# Altium PCB RelayTester.PcbDoc (part 2 of 2)
Units mm, origin at the board's own origin, x right, y up, seen from the top; angles counter-clockwise.
Board outline 86 x 93 mm, 2 copper layers (Top Layer, Bottom Layer); 234 components, 174 nets, 831 pads, 189 vias.
Unrouted connection lines stored in the file: 4.
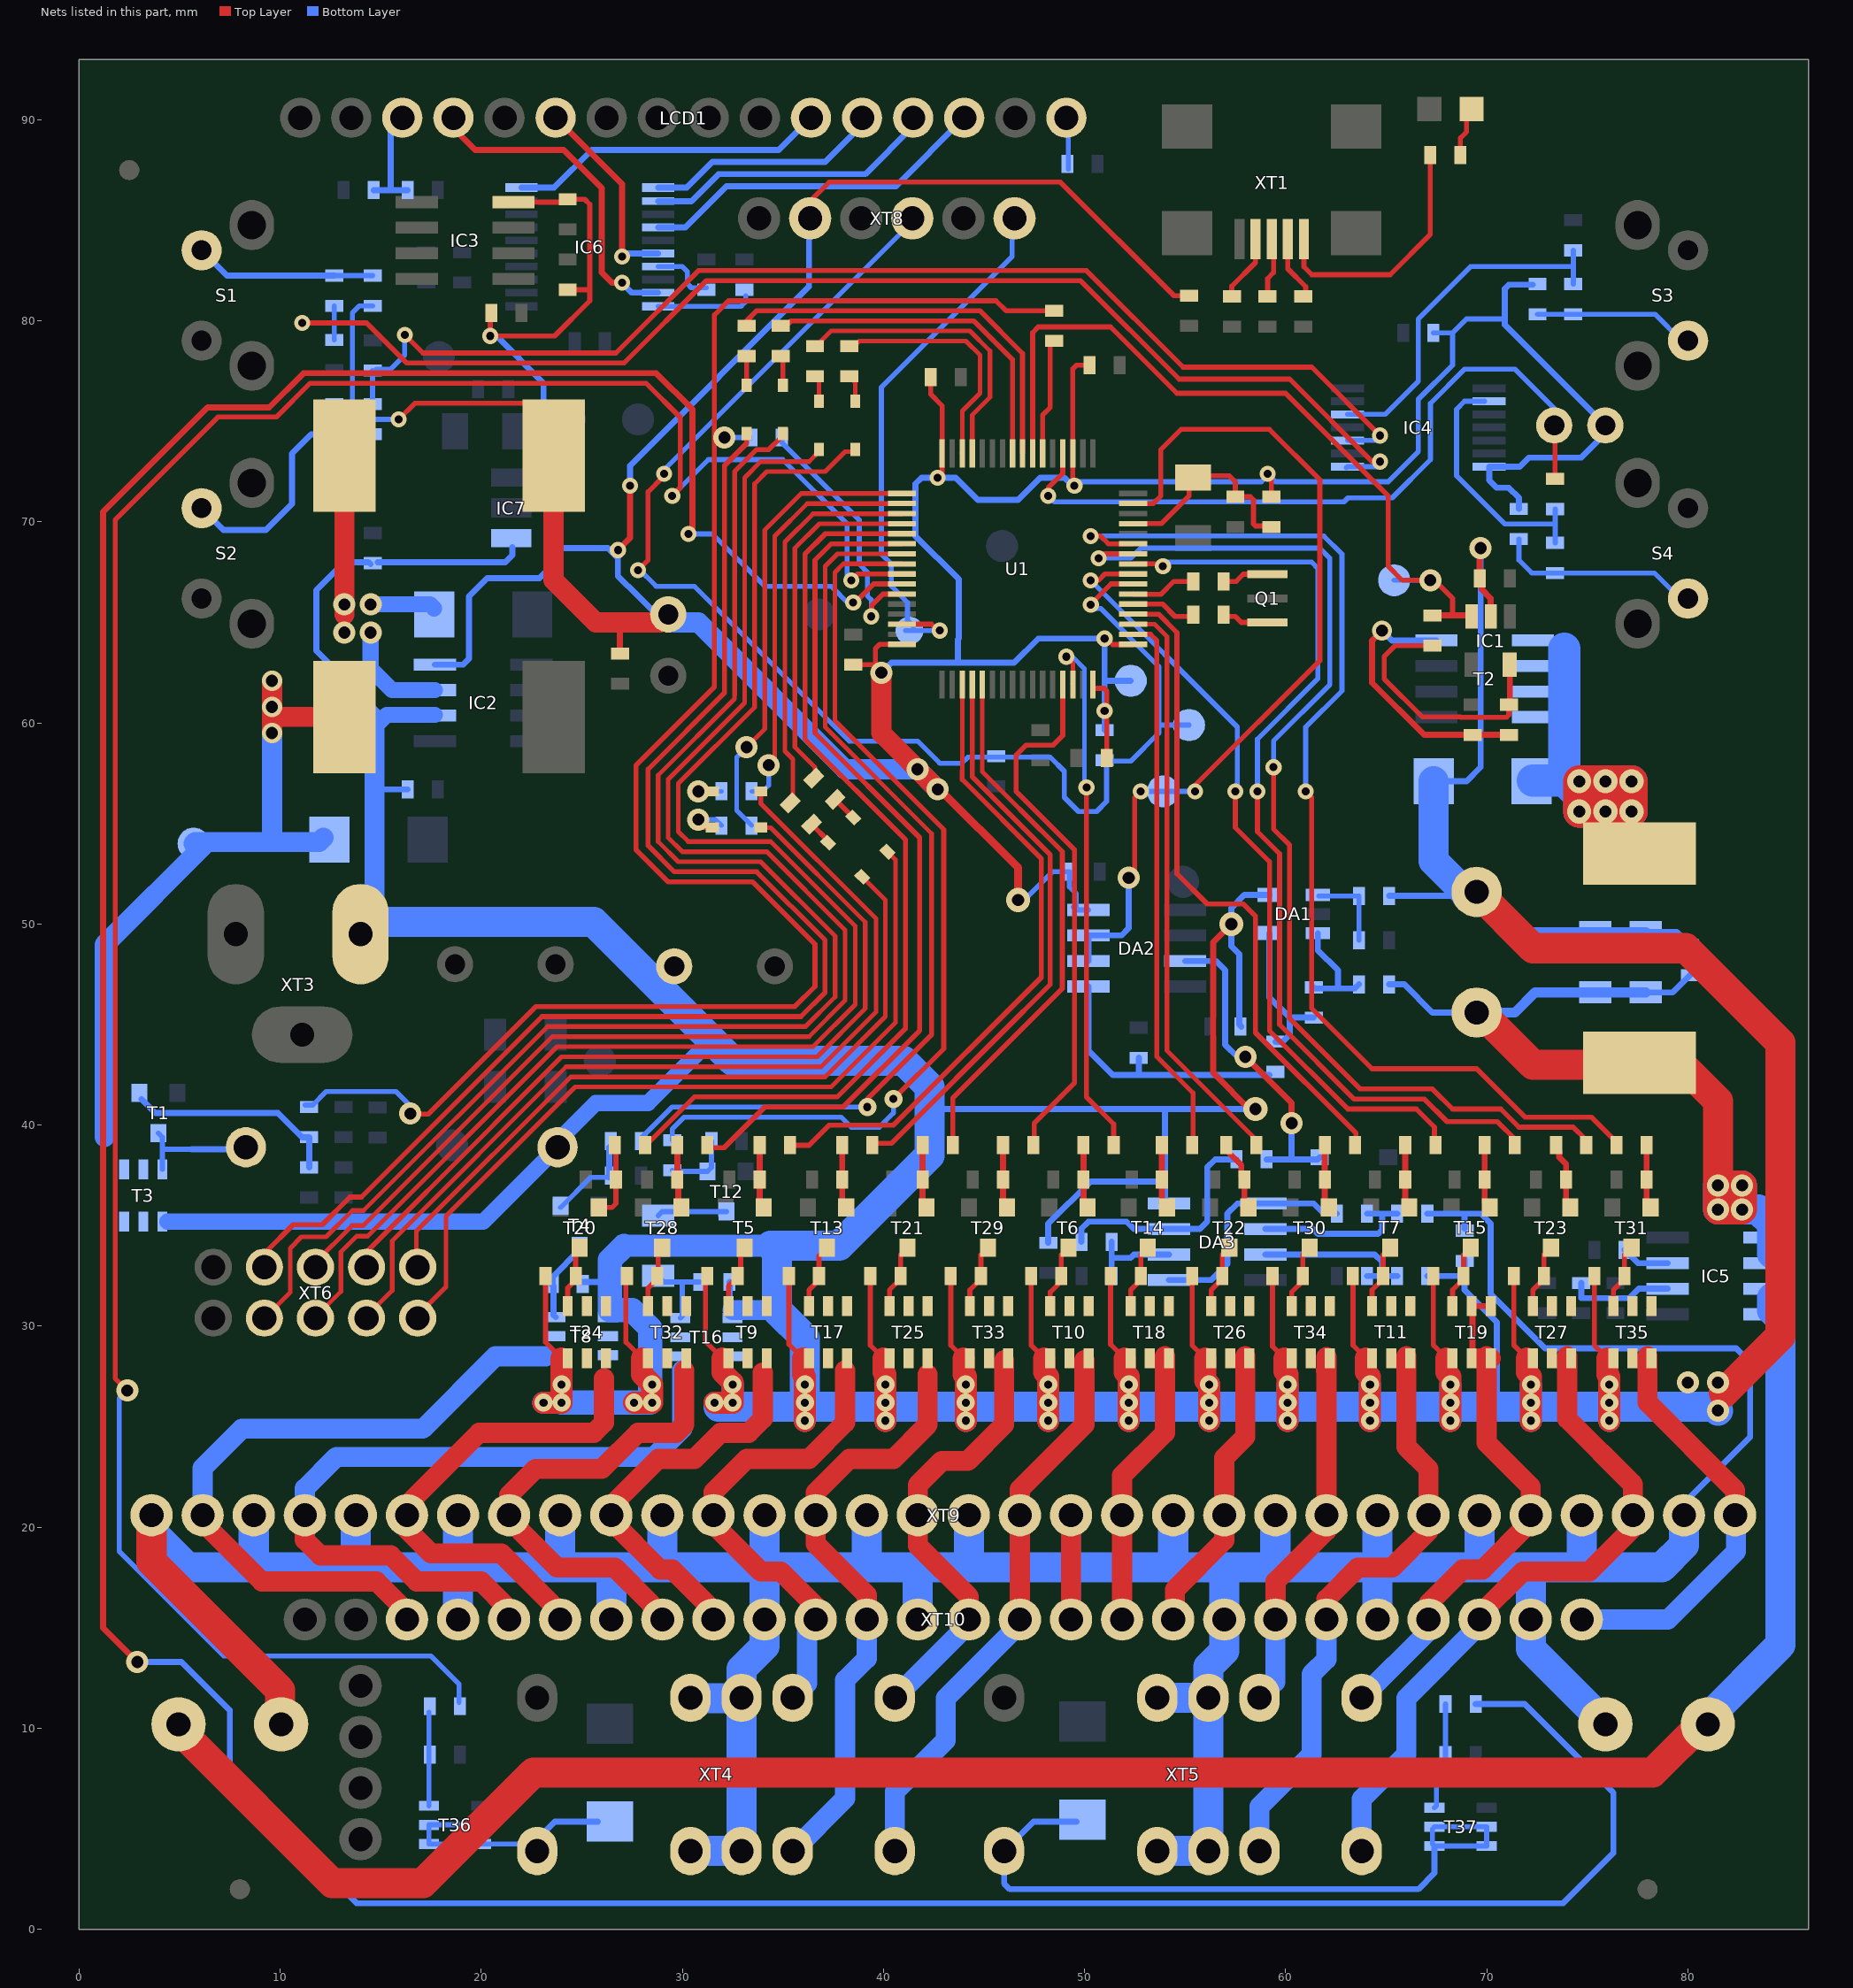
[diagram p2: the nets of this part, all layers, seen from the top]

## Via types
v1: diameter 0.8, hole 0.4, Top Layer to Bottom Layer, tented both sides, 60 vias
v2: diameter 1.1, hole 0.6, Top Layer to Bottom Layer, tented both sides, 53 vias
v3: diameter 0.9, hole 0.4, Top Layer to Bottom Layer, tented both sides, 46 vias
v4: diameter 1.2, hole 0.6, Top Layer to Bottom Layer, tented both sides, 11 vias
v5: diameter 3, hole 3, Top Layer to Bottom Layer, 6 vias
v6: diameter 1, hole 0.6, Top Layer to Bottom Layer, tented both sides, 5 vias
v7: diameter 1.1, hole 0.6, Top Layer to Bottom Layer, tented bottom, 4 vias
v8: diameter 1, hole 0.5, Top Layer to Bottom Layer, tented both sides, 2 vias
v9: diameter 0.9, hole 0.9, Top Layer to Bottom Layer, 2 vias

## Nets (pads, with @x,y where several pads share a name; then routed paths per layer and width w, separated by ;. In a path a pad name is that pad's centre, name@x,y a point inside that pad or via, vN(x,y) a via of type N, cw(c..) or ccw(c..) an arc to the next point about the centre after c; other vN are vias at no path point) (continued)
JTMS-SWDIO: pad.2@41.3,64.6 U1.46 XT8.1 | length 26.9
  Top Layer w0.25: U1.46@40.921,64.914 42.386,64.914 42.7,64.6 v1(42.8,64.6)
  Bottom Layer w0.25: pad.2@41.1,64.6 pad.2@41.3,64.6 v1(42.8,64.6) ; pad.2@41.5,64.8 41.2,65.1 41.2,66 40.4,66.8 40.4,67.9 39.9,68.4 39.9,76.7 46.4,83.2 XT8.1@46.4,84.6
MCPWM: IC1.3 pad.2@65.4,67.1 R9.1 U1.23 | length 38.9
  Top Layer w0.25: U1.23@47.421,73.414 47.421,79.421 47.7,79.7 51.3,79.7 54.6,76.4 60,76.4 65.1,71.3 65.1,67.8 65.8,67.1 v2@66.8,67.1 ; v2(67.2,67.1) 67.3,67.2 68.3,66.2 68.3,65.35
  Top Layer w0.3: R9.1@67.3,65.35 68.3,65.35 69.2,65.35 IC1.3@69.25,65.3
  Bottom Layer w0.25: pad.2@65.4,67.1 v2(67.2,67.1)
MCPWMCOIL: R7.1 U1.22 | length 5.7
  Top Layer w0.25: U1.22@47.921,73.414 47.921,75.321 48.3,75.7 R7.1@48.3,79
MCPWMCoil2: R1.2 U1.43 | length 13
  Top Layer w0.25: v1(39.4,65.3) 39.431,65.331 39.431,65.869 39.976,66.414 U1.43@40.921,66.414
  Bottom Layer w0.25: R1.2@34.95,74.2 34.95,73.95 38.8,70.1 38.8,67.9 39.2,67.5 39.2,66.325 39.4,66.125 v1(39.4,65.3)
MOSOUT1: T8.2 XT9.2 XT10.3 | length 33.4
  Top Layer w1: XT9.2@6.1,20.3 9.1,17.3 14.8,17.3 16.31,15.79 XT10.3@16.31,15.413
  Bottom Layer w1: XT9.2@6.15,21.382 6.15,22.95 8.1,24.9 17.1,24.9 20.7,28.5 T8.2@23.2,28.5
MOSOUT2: T16.2 XT9.4 XT10.5 | length 36.8
  Top Layer w1: XT9.4@11.23,20.6 11.23,19.37 12,18.6 15.5,18.6 16.8,17.3 20,17.3 21.39,15.91 XT10.5@21.39,15.413
  Bottom Layer w1: XT9.4@11.23,21.382 11.23,21.93 12.8,23.5 28.6,23.5 30,24.9 30,27.8
MOSOUT3: T24.2 XT9.6 XT10.6 | length 24.6
  Top Layer w1: XT10.6@23.93,15.413 23.93,15.77 21,18.7 17.5,18.7 16.31,19.89 XT9.6@16.31,20.6 16.31,21.11 19.9,24.7 25.6,24.7 26.1,25.2 26.1,27.4
MOSOUT4: T32.2 XT9.8 XT10.8 | length 23.9
  Top Layer w1: XT10.8@29.01,15.413 29.01,15.59 28.42,16.18 28.42,16.221 26.641,18 23.772,18 21.98,19.792 21.98,19.82 21.39,20.41 XT9.8@21.39,20.6 21.39,21.59 22.7,22.9 26,22.9 27.8,24.7 29.7,24.7 30.1,25.1 30.1,27.8
MOSOUT5: T9.2 XT9.10 XT10.9 | length 19.7
  Top Layer w1: XT10.9@31.55,15.413 31.55,15.85 29.5,17.9 28.9,17.9 26.47,20.33 XT9.10@26.47,20.6 26.47,21.07 28.8,23.4 30.6,23.4 31.9,24.7 33.3,24.7 34,25.4 34,27.7
MOSOUT6: T17.2 XT4.7 XT9.12 XT10.11 | length 24
  Top Layer w1: XT10.11@36.63,15.413 36.63,16.07 34.9,17.8 33.9,17.8 31.55,20.15 XT9.12@31.55,20.6 31.55,21.75 33.2,23.4 36.3,23.4 38.1,25.2 38.1,27.8
  Bottom Layer w1: XT4.7@35.487,11.517 36.2,12.23 36.2,14.983 XT10.11@36.63,15.413
MOSOUT7: T25.2 XT4.4 XT9.14 XT10.12 | length 29.9
  Top Layer w1: XT10.12@39.17,15.413 39.17,16.63 36.63,19.17 XT9.14@36.63,20.6 36.63,21.73 38.3,23.4 40.5,23.4 42.2,25.1 42.2,27.6
  Bottom Layer w1: XT4.4@35.487,3.897 38.1,6.51 38.1,12.4 39.17,13.47 XT10.12@39.17,15.413
MOSOUT8: T33.2 XT4.6 XT9.16 XT10.14 | length 21.9
  Top Layer w1: XT10.14@44.25,15.413 44.25,16.55 41.71,19.09 XT9.16@41.71,20.6 41.71,22.11 42.9,23.3 44.2,23.3 46,25.1 T33.2@46,28.3
  Bottom Layer w1: XT4.6@40.567,11.517 44.25,15.2 XT10.14@44.25,15.413
MOSOUT9: T10.2 XT4.5 XT9.18 XT10.15 | length 28.6
  Top Layer w1: XT10.15@46.79,15.413 XT9.18@46.79,20.6 46.79,21.89 50,25.1 T10.2@50,28.3
  Bottom Layer w1: XT4.5@40.567,3.897 40.567,6.867 43.1,9.4 43.1,11.5 XT10.15@46.79,15.19 ; XT10.15@46.79,14.89 XT10.15@46.79,15.19 ; XT10.15@46.79,15.413 XT10.15@46.79,15.19
MOSOUT10: T18.2 XT9.20 XT10.17 | length 14.5
  Top Layer w1: XT10.17@51.5,15.043 XT10.17@51.87,15.413 XT9.20@51.87,20.6 51.87,22.57 54,24.7 T18.2@54,28.5
MOSOUT11: T26.2 XT9.22 XT10.18 | length 14.6
  Top Layer w1: XT10.18@54.41,15.413 54.5,15.503 54.5,16.9 56.95,19.35 XT9.22@56.95,20.6 56.95,23.45 58,24.5 T26.2@58,28.5
MOSOUT12: T34.2 XT5.7 XT9.24 XT10.20 | length 17.2
  Top Layer w1: XT10.20@59.5,15.423 59.5,17.3 62.03,19.83 XT9.24@62.03,20.6 62.03,27.77 ; 62,27.8 62.03,27.77 ; T34.2@62.03,28.47 62.03,27.77
  Bottom Layer w1: XT5.7@59.49,12.304 XT10.20@59.49,15.413
MOSOUT13: T11.2 XT5.4 XT9.26 XT10.21 | length 29.5
  Top Layer w1: XT10.21@62.03,15.413 62.03,16.43 63.6,18 65.3,18 67.11,19.81 XT9.26@67.11,20.6 67.11,22.89 66,24 T11.2@66,28.5
  Bottom Layer w1: XT5.4@58.703,3.897 58.703,6.103 61.3,8.7 61.3,12.7 62.03,13.43 XT10.21@62.03,15.413
MosOut14: T19.2 XT5.6 XT9.28 XT10.23 | length 26.8
  Top Layer w0.3: 69.65,28.4 69.3,28.75 69.3,30.95 T19.2@69.25,31 T19.2@70.2,31
  Top Layer w1: XT10.23@67.11,15.413 67.513,15.413 67.1,15.826 67.1,16.2 68.8,17.9 69.8,17.9 72.19,20.29 XT9.28@72.19,20.6 72.19,22.01 70,24.2 T19.2@70,28.4 ; 69.65,28.4 T19.2@70,28.4 ; T19.2@70,28.5 T19.2@70,28.4 ; T19.2@70.2,28.4 T19.2@70,28.4
  Bottom Layer w1: XT5.6@63.783,11.517 67.11,14.844 XT10.23@67.11,15.413
MOSOUT15: T27.2 XT5.5 XT9.30 XT10.24 | length 33.5
  Top Layer w1: XT10.24@69.65,15.413 69.65,15.65 71.8,17.8 75.1,17.8 77.27,19.97 XT9.30@77.27,20.6 77.27,22.13 74,25.4 T27.2@74,28.5
  Bottom Layer w1: XT5.5@63.783,3.897 63.783,6.483 66,8.7 66,11.5 69.65,15.15 XT10.24@69.65,15.413
MOSOUT16: T35.2 XT9.32 XT10.26 | length 20.2
  Top Layer w1: T35.2@78,28.5 78,26.2 82.35,21.85 XT9.32@82.35,20.95
  Bottom Layer w1: XT10.26@74.73,15.413 79.013,15.413 82.4,18.8 82.4,20.55 XT9.32@82.35,20.6
NetC7_2: C7.2 C9.1 L1.2 U1.13 | length 10.1
  Top Layer w0.25: U1.13@52.421,69.914 53.814,69.914 55.2,71.3 C9.1@55.2,71.9 ; C9.1@55.4,72.2 55.5,72.3 57.2,72.3 57.5,72 C7.2@57.5,71.25 58.25,71.25 58.4,71.1 58.4,69.9 58.5,69.8 59.25,69.8 L1.2@59.3,69.75
NetC23_2: C23.2 IC4.1 R87.2 | length 65
  Top Layer w0.25: v1(11.1,79.9) 14.3,79.9 16.3,77.9 27.1,77.9 31.2,82 49.8,82 54.7,77.1 60.2,77.1 64.3,73 v1(64.7,73)
  Bottom Layer w0.25: v1(11.1,79.9) 12.7,79.9 ; C23.2@12.7,79.05 12.7,79.9 ; R87.2@12.7,80.75 12.7,79.9 ; IC4.1@63.025,72.7 IC4.1@63.075,72.75 64.55,72.75 64.7,72.9 v1(64.7,73)
NetC24_2: C24.2 IC4.3 R88.2 | length 60.2
  Top Layer w0.25: v1(16.2,79.3) 17.1,78.4 26.7,78.4 30.8,82.5 50.1,82.5 54.9,77.7 61.3,77.7 v1(64.7,74.3)
  Bottom Layer w0.25: R88.2@14.6,75.858 C24.2@14.6,77.533 ; C24.2@14.8,77.6 15.5,77.6 16.2,78.3 v1(16.2,79.3) ; IC4.3@63.075,74.05 64.65,74.05 64.7,74.1 v1(64.7,74.3)
NetC25_2: C25.2 IC4.5 R89.2 | length 17.8
  Bottom Layer w0.25: IC4.5@63.075,75.35 64.95,75.35 66.6,77 66.6,80.1 69.2,82.7 74.3,82.7 ; R89.2@74.306,81.834 C25.2@74.306,83.509
NetC26_2: C26.2 IC4.9 R90.2 | length 12.4
  Bottom Layer w0.25: IC4.9@69.9,76 68.9,76 68.5,75.6 68.5,72.3 70.9,69.9 73.406,69.9 ; R90.2@73.406,68.961 73.406,69.9 ; C26.2@73.406,70.636 73.406,69.9
NetC28_2: C28.2 IC5.6 | length 5.2
  Bottom Layer w0.3: C28.2@74.7,32.15 74.7,31.4 77.1,31.4 77.565,31.865 IC5.6@79,31.865
NetD1_2: D1.2 IC2.3 L3.1 | length 16.6
  Top Layer w1: v2@13.2,65.4 L3.1@13.2,73.3
  Bottom Layer w0.8: v2(14.5,64.5) 14.5,62.7 15.565,61.635 IC2.3@17.7,61.635 ; v2(14.5,65.9) 17.46,65.9 D1.2@17.66,65.7
  other v2: 13.2,64.5 13.2,65.9
NetD2_2: D2.2 L2.1 pad.2@5.7,54 T3.2 | length 38.3
  Top Layer w1: v6(9.6,59.5) 9.6,60.3 ; v6(9.6,62.1) v6(9.6,60.8) 9.6,60.3 ; L2.1@12.7,60.8 L2.1@13.2,60.3 9.6,60.3
  Bottom Layer w1: 1.275,39.4 1.275,48.975 pad.2@6.375,54.075 ; pad.2@5.7,54 5.775,54.075 pad.2@6.375,54.075 ; v6(9.6,62.1) v6(9.6,60.8) v6(9.6,59.5) 9.6,54.075 ; D2.2@12.16,54.3 11.934,54.075 9.6,54.075 ; pad.2@6.375,54.075 9.6,54.075
NetD3_1: D3.1 L4.1 T2.5 T2.6 T2.7 T2.8 | length 25.1
  Top Layer w1.6: v4(74.6,55.6) v4(74.6,57.1) v4(75.9,57.1) v4(77.2,57.1) v4(77.2,55.6) v4(74.6,55.6)
  Bottom Layer w1.6: D3.1@72.3,57.14 73.86,57.14 ; 73.86,63.7 73.86,57.14 ; v4@74.4,57.1 v4(75.9,57.1) v4(77.2,57.1) v4(77.2,55.6) v4(75.9,55.6) v4(74.6,55.6) 74.6,56.3 74.65,56.35 73.86,57.14
NetD4_2: D4.2 DA2.3 R66.2 | length 15.9
  Top Layer w0.3: v2(58,43.4) 60.3,41.1 v2(60.3,40.1)
  Bottom Layer w0.3: DA2.3@55,48.165 56.535,48.165 57,47.7 57,44 57.6,43.4 v2(58,43.4) ; R66.2@59.05,38.3 60.3,38.3 ; v2(60.3,40.1) 60.3,38.3 ; D4.2@61.7,38.4 61.6,38.3 60.3,38.3
NetD5_1: D5.1 R103.2 | length 2.3
  Top Layer w0.23: v7(30.8,55.2) 30.8,54.9 30.9,54.8 D5.1@31.5,54.8
  Bottom Layer w0.23: v7(30.8,55.2) 31.65,55.2 R103.2@31.95,54.9
NetD5_2: D5.2 XT6.3 | length 42
  Top Layer w0.23: 17.3,36.7 24,43.4 36.708,43.4 39.1,45.792 39.1,50.1 34.4,54.8 D5.2@33.9,54.8
  Top Layer w0.25: XT6.3@14.3,32.94 14.3,33.7 17.3,36.7
NetD6_1: D6.1 R105.2 | length 1.4
  Top Layer w0.23: D6.1@33.2,76.8 R105.2@33.2,78.25
NetD6_2: D6.2 XT6.7 | length 69.4
  Top Layer w0.25: XT6.7@9.3,33.3 9.3,33.7 10.65,35.05 12.1,35.05 13.475,36.425 14.05,36.425 23.025,45.4 35.9,45.4 37.1,46.6 37.1,49.2 33.7,52.6 29.6,52.6 28.3,53.9 28.3,57.7 32.1,61.5 32.1,72.8 33.2,73.9 D6.2@33.2,74.4
NetD7_1: D7.1 R102.2 | length 1.3
  Top Layer w0.25: R102.2@36.43,54.97 37.251,54.149 D7.1@37.251,54.049
NetD7_2: D7.2 XT6.1 | length 36.7
  Top Layer w0.23: XT6.1@16.78,32.94 16.78,34.73 24.45,42.4 37.1,42.4 40.1,45.4 40.1,51.2 D7.2@39.1,52.2
NetD8_1: D8.1 R104.2 | length 1.3
  Top Layer w0.23: R104.2@36.6,77.25 36.8,77.05 D8.1@36.8,76
NetD8_2: D8.2 XT6.5 | length 70.1
  Top Layer w0.23: XT6.5@11.7,32.8 11.7,33.125 13.575,35 14.125,35 23.525,44.4 36.3,44.4 38.1,46.2 38.1,49.7 34.2,53.6 30,53.6 29.3,54.3 29.3,57.2 33.1,61 33.1,72.2 33.9,73 36.3,73 D8.2@36.8,73.5
NetD9_1: D9.1 T36.2 XT4.1 | length 13.4
  Bottom Layer w0.25: XT4.1@22.2,4.25 T36.2@20.1,4.25 ; T36.2@20.1,4.25 T36.2@20,4.25 T36.2@17.4,4.25 T36.2@17.4,5.2 T36.2@20,5.2 20.1,5.2 T36.2@20.1,4.25
  Bottom Layer w0.3: XT4.1@22.787,3.897 22.787,4.487 23.66,5.36 D9.1@25.8,5.36
NetD10_1: D10.1 T37.2 XT5.1 | length 36.1
  Bottom Layer w0.25: T37.2@67.3,5 67.3,4.25 T37.2@67.4,4.15 T37.2@70,4.15 T37.2@70,5.1 T37.2@67.4,5.1
  Bottom Layer w0.3: D10.1@49.6,5.36 47.466,5.36 XT5.1@46.003,3.897 46.003,2.285 46.288,2 66.6,2 67.4,2.8 T37.2@67.4,4.15
NetD11_1: D11.1 R109.1 | length 1.3
  Top Layer w0.25: R109.1@37.6,56.2 D11.1@38.503,55.297
NetD11_2: D11.2 XT6.2 | length 40.9
  Top Layer w0.23: XT6.2@16.6,30.3 18.25,31.95 18.25,35.475 24.675,41.9 37.4,41.9 40.6,45.1 40.6,53.2 D11.2@40.2,53.6
NetD12_1: D12.1 R111.1 | length 1.4
  Top Layer w0.23: R111.1@38.3,77.25 38.6,76.95 D12.1@38.6,76
NetD12_2: D12.2 XT6.6 | length 73.6
  Top Layer w0.23: XT6.6@11.6,30.3 13.025,31.725 13.025,33.7 13.8,34.475 14.35,34.475 23.775,43.9 36.5,43.9 38.6,46 38.6,49.9 34.4,54.1 30.3,54.1 29.8,54.6 29.8,56.992 33.6,60.792 33.6,71.9 34.2,72.5 37.1,72.5 38.1,73.5 D12.2@38.4,73.5
NetD13_1: D13.1 R110.1 | length 1.9
  Top Layer w0.23: v7(30.8,56.6) D13.1@31.5,56.6
  Bottom Layer w0.23: v7(30.8,56.6) R110.1@31.95,56.6
NetD13_2: D13.2 XT6.4 | length 46.8
  Top Layer w0.23: XT6.4@14,30.2 15.575,31.775 15.575,34.25 24.225,42.9 36.9,42.9 39.63,45.63 39.63,50.27 33.9,56 D13.2@33.9,56.6
NetD14_1: D14.1 R112.1 | length 1.5
  Top Layer w0.23: R112.1@34.9,78.25 35,78.15 D14.1@35,76.8
NetD14_2: D14.2 XT6.8 | length 73
  Top Layer w0.23: XT6.8@9.22,30.4 10.5,31.68 10.5,33.875 11.063,34.437 12.287,34.437 13.6,35.75 14.15,35.75 23.3,44.9 36.122,44.9 37.6,46.378 37.6,49.4 33.9,53.1 29.8,53.1 28.8,54.1 28.8,57.4 32.6,61.2 32.6,61.4
  Top Layer w0.25: 32.6,61.4 32.6,72.5 33.7,73.6 34.3,73.6 D14.2@34.9,74.2
NetDA1_1: DA1.1 R12.2 R16.1 | length 4.2
  Bottom Layer w0.25: DA1.1@61.65,51.4 R12.2@63.65,51.4 R16.1@63.65,49.2
NetDA1_3: DA1.3 R11.2 R15.1 | length 5.5
  Bottom Layer w0.3: R15.1@61.4,46.85 61.45,46.8 62.6,46.8 ; DA1.3@61.6,49.55 61.6,48.7 62.6,47.7 62.6,46.8 ; R11.2@63.65,47 63.45,46.8 62.6,46.8
NetDA1_4: DA1.4 R15.2 R20.2 | length 7.5
  Bottom Layer w0.3: DA1.4@59.2,49.55 59.2,46.35 60.2,45.35 ; R20.2@59.5,44.15 59.85,44.15 60.2,44.5 60.2,45.35 ; R15.2@61.4,45.35 60.2,45.35
NetDA2_5: DA2.5 R20.1 R21.2 | length 13.5
  Bottom Layer w0.3: DA2.5@50.2,46.895 50.2,43.7 51.4,42.5 52.7,42.5 ; R21.2@52.7,43.35 52.7,42.5 ; R20.1@59.2,42.5 52.7,42.5
NetDA3_1: DA3.1 DA3.5 R49.2 | length 11.6
  Bottom Layer w0.3: DA3.5@54.2,32.295 56.295,32.295 57.1,33.1 57.1,35.6 57.605,36.105 DA3.1@59,36.105 61.395,36.105 61.9,35.6 R49.2@62.55,35.6
NetDA3_2: DA3.2 R42.2 R49.1 | length 8.3
  Bottom Layer w0.3: DA3.2@59,34.835 61.365,34.835 61.6,34.6 64.6,34.6 64.8,34.8 64.8,35.6 ; R49.1@64.05,35.6 64.8,35.6 ; R42.2@65.55,35.6 64.8,35.6
NetDA3_3: DA3.3 R43.2 R50.1 | length 8.2
  Bottom Layer w0.3: DA3.3@59,33.565 64.435,33.565 64.8,33.2 64.8,32.5 ; R50.1@64.05,32.5 64.8,32.5 ; R43.2@65.55,32.5 64.8,32.5
NetDA3_6: DA3.6 R60.2 R61.1 | length 4.6
  Bottom Layer w0.3: R60.2@51.35,32.5 51.35,33.4 ; R61.1@51.35,34.2 51.35,33.4 ; DA3.6@54.2,33.565 52.465,33.565 52.3,33.4 51.35,33.4
NetDA3_7: DA3.7 R61.2 R66.1 | length 11.7
  Bottom Layer w0.3: R61.2@49.85,34.2 49.85,34.85 50.2,35.2 52.1,35.2 52.465,34.835 DA3.7@54.2,34.835 55.735,34.835 56.1,35.2 56.1,37.9 56.5,38.3 R66.1@57.55,38.3
NetIC1_5: IC1.5 R9.2 R17.1 | length 13.2
  Top Layer w0.25: R9.2@67.3,63.85 65.45,63.85 64.9,63.3 64.9,62.2 66.8,60.3 68.7,60.3 68.715,60.285 70.985,60.285 71.1,60.4 R17.1@71.1,60.91
  Top Layer w0.3: R17.1@71.15,60.96 IC1.5@71.15,62.9
NetIC5_7: IC5.7 R107.1 | length 2.4
  Bottom Layer w0.3: R107.1@76.85,33.8 77.515,33.135 IC5.7@79,33.135
NetIC6_10: IC6.10 LCD1.11 | length 15.8
  Bottom Layer w0.3: IC6.10@22,86.628 23.628,86.628 25.5,88.5 34.8,88.5 LCD1.11@36.4,90.1
NetIC6_11: IC6.11 LCD1.12 | length 11.8
  Bottom Layer w0.3: IC6.11@28.8,86.628 30.228,86.628 31.5,87.9 37.1,87.9 38.94,89.74 LCD1.12@38.94,90.1
NetIC6_12: IC6.12 LCD1.13 | length 14.6
  Bottom Layer w0.3: IC6.12@28.8,85.953 30.453,85.953 31.8,87.3 39.1,87.3 41.48,89.68 LCD1.13@41.48,90.1
NetIC6_14: IC6.14 LCD1.14 | length 17.5
  Bottom Layer w0.3: IC6.14@28.8,84.653 30.153,84.653 32.2,86.7 40.62,86.7 LCD1.14@44.02,90.1
NetIC6_16: IC6.16 LCD1.6 | length 10.1
  Top Layer w0.3: LCD1.6@23.7,90.1 27,86.8 v1(27,83.2)
  Bottom Layer w0.3: v1(27,83.2) 27.153,83.353 IC6.16@28.8,83.353
NetIC6_17: IC6.17 R116.2 | length 3.2
  Bottom Layer w0.25: IC6.17@28.8,82.703 29.997,82.703 30.25,82.45 30.25,81.85 30.45,81.65 R116.2@31.2,81.65
NetIC6_19: IC6.19 LCD1.4 | length 16.5
  Top Layer w0.3: LCD1.4@18.62,90.1 18.62,89.58 19.7,88.5 24.1,88.5 26,86.6 26,82.4 26.5,81.9 v1(27,81.9)
  Bottom Layer w0.3: v1(27,81.9) 27.497,81.403 IC6.19@28.8,81.403
NetIC6_20: IC6.20 R115.2 | length 4.7
  Bottom Layer w0.25: IC6.20@28.8,80.728 32.928,80.728 33.15,80.95 R115.2@33.15,81.25
NetLCD1_3: LCD1.3 R118.1 R119.2 | length 5.5
  Bottom Layer w0.3: R118.1@14.65,86.5 15.5,86.5 ; LCD1.3@16.08,90.1 15.5,89.52 15.5,86.5 ; R119.2@16.35,86.5 15.5,86.5
NetLCD1_16: LCD1.16 R117.1 | length 2.4
  Bottom Layer w0.25: R117.1@49.2,87.55 LCD1.16@49.2,90
NetLED1_1: LED1.1 R2.1 | length 2.5
  Top Layer w0.25: R2.1@68.695,88.25 68.695,89.095 69,89.4 69,90.287 LED1.1@69.249,90.536
NetQ1_1: Q1.1 R29.2 | length 2.3
  Top Layer w0.25: R29.2@56.911,67.044 57.544,67.044 57.9,67.4 Q1.1@59.1,67.4
NetQ1_3: Q1.3 R28.2 | length 2.4
  Top Layer w0.25: R28.2@56.911,65.393 57.004,65.3 57.5,65.3 57.8,65 Q1.3@59.1,65
NetR1_1: R1.1 R7.2 R8.1 | length 89.5
  Top Layer w0.25: v2@16.123,40.577 v2(16.476,40.577) 16.503,40.55 17.375,40.55 22.725,45.9 35.6,45.9 36.6,46.9 36.6,49 33.5,52.1 29.3,52.1 27.7,53.7 27.7,57.9 31.6,61.8 31.6,80.3 32.3,81 45.6,81 46.1,80.5 R7.2@48.5,80.5
  Bottom Layer w0.25: R8.1@11.25,41 11.625,41 12.3,41.675 15.75,41.675 16.476,40.949 v2(16.476,40.577) ; R1.1@33.35,74.2 v2(32.1,74.2) ; v2(32.1,74.2) 31.95,74.35 v2(32.1,74.2)
NetR2_2: R2.2 XT1.1 | length 12.6
  Top Layer w0.25: XT1.1@60.909,84.069 60.909,82.691 61.3,82.3 65.2,82.3 67.195,84.295 R2.2@67.195,88.25
NetR4_1: R4.1 XT1.2 | length 3.3
  Top Layer w0.25: XT1.2@60.109,84.069 60.109,82.591 61,81.7 61,81.335 R4.1@60.883,81.218
NetR5_1: R5.1 XT1.4 | length 3.3
  Top Layer w0.25: R5.1@57.327,81.218 57.327,81.727 58.5,82.9 58.5,84.06 XT1.4@58.509,84.069
NetR6_1: R6.1 XT1.3 | length 3
  Top Layer w0.25: R6.1@59.105,81.218 59.105,82.105 59.4,82.4 59.4,83.978 XT1.3@59.309,84.069
NetR8_2: R8.2 R14.1 T1.1 | length 10.6
  Bottom Layer w0.3: T1.1@3.1,41.3 3.8,40.6 9.9,40.6 11.1,39.4 R8.2@11.45,39.4 R14.1@11.45,37.9
NetR17_2: R17.2 R19.2 T2.4 | length 13.6
  Top Layer w0.3: v6(64.8,64.6) 64.3,64.1 64.3,62 66.89,59.41 R19.2@69.3,59.41 R17.2@71.1,59.41
  Bottom Layer w0.3: v6(64.8,64.6) 65.295,64.105 T2.4@67.5,64.105
NetR18_1: R18.1 T1.3 T3.1 | length 6.3
  Bottom Layer w0.25: T1.3@3.95,39.6 4.15,39.4 4.15,38.8 ; T3.1@4.15,37.8 4.15,38.8 ; 5.6,38.8 4.15,38.8
  Bottom Layer w0.3: 5.6,38.8 7.7,38.8 R18.1@8.3,38.2
NetR28_1: R28.1 U1.5 | length 3.3
  Top Layer w0.25: U1.5@52.421,65.914 53.886,65.914 54.5,65.3 55.318,65.3 R28.1@55.411,65.393
NetR29_1: R29.1 U1.6 | length 3.3
  Top Layer w0.25: U1.6@52.421,66.414 52.435,66.4 53.8,66.4 54.444,67.044 R29.1@55.411,67.044
NetR33_2: R33.2 R38.2 T5.1 | length 3.2
  Top Layer w0.3: R33.2@33.85,39 33.85,36.1 T5.1@34.05,35.9
NetR34_2: R34.2 R39.2 T6.1 | length 3.2
  Top Layer w0.3: R34.2@49.95,39 49.95,36.1 T6.1@50.15,35.9
NetR35_2: R35.2 R40.2 T7.1 | length 3.2
  Top Layer w0.3: R35.2@65.95,39 R40.2@65.95,37.3 65.95,36.1 T7.1@66.15,35.9
NetR36_2: R36.2 R37.2 T4.1 | length 4.5
  Bottom Layer w0.25: T4.1@23.95,35.9 25.45,37.4 R37.2@26.375,37.4
  Bottom Layer w0.3: R37.2@26.375,37.4 R36.2@26.375,38.9
NetR44_1: R44.1 T4.3 T8.1 | length 4.3
  Bottom Layer w0.3: R44.1@23.4,32.2 23.6,32 23.6,30.55 T8.1@23.7,30.45 ; R44.1@23.55,32.1 23.55,32.45 24.9,33.8 T4.3@24.9,34
NetR45_1: R45.1 T5.3 T9.1 | length 3.2
  Top Layer w0.25: T9.1@32.3,31 32.3,32 32.65,32.35 R45.1@32.65,32.5 ; R45.1@32.75,32.5 32.75,32.65 32.9,32.8 32.9,33.7 T5.3@33.1,33.9
NetR46_1: R46.1 T6.3 T10.1 | length 3.1
  Top Layer w0.25: T10.1@48.3,31 48.3,31.7 R46.1@48.9,32.3 ; R46.1@48.85,32.5 48.85,33.55 T6.3@49.2,33.9
NetR47_1: R47.1 T7.3 T11.1 | length 3.1
  Top Layer w0.25: T11.1@64.3,31 64.3,31.8 R47.1@64.8,32.3 ; R47.1@64.85,32.5 64.85,33.55 T7.3@65.2,33.9
NetR51_2: R51.2 R56.2 T12.1 | length 3.4
  Bottom Layer w0.25: R51.2@29.5,37.75 29.55,37.7 T12.1@31.25,37.7 31.45,37.9 R56.2@31.45,39.2
NetR52_2: R52.2 R57.2 T13.1 | length 3.2
  Top Layer w0.3: R52.2@37.95,39 37.95,36.1 T13.1@38.15,35.9
NetR53_2: R53.2 R58.2 T14.1 | length 3.2
  Top Layer w0.3: R53.2@53.85,39 53.85,36.15 T14.1@54.1,35.9
NetR54_2: R54.2 R59.2 T15.1 | length 3.2
  Top Layer w0.3: R54.2@69.9,39 R59.2@69.9,37.3 69.9,36.15 T15.1@70.15,35.9
NetR55_1: R55.1 T12.3 | length 3.5
  Bottom Layer w0.25: R55.1@28.8,35.5 29,35.7 T12.3@32.2,35.7
NetR55_2: R55.2 R62.1 T16.1 | length 4
  Bottom Layer w0.25: R55.2@28.8,32.5 29.1,32.2 30,32.2 ; T16.1@29.9,30.4 30,30.5 30,32.2 ; R62.1@30.85,32.2 30,32.2
NetR63_1: R63.1 T13.3 T17.1 | length 2.9
  Top Layer w0.25: T17.1@36.3,31 36.3,31.8 R63.1@36.7,32.2 ; R63.1@36.8,32.5 36.8,33.5 T13.3@37.2,33.9
NetR64_1: R64.1 T14.3 T18.1 | length 3.2
  Top Layer w0.25: T18.1@52.3,31 52.3,31.8 R64.1@52.9,32.4 ; R64.1@52.8,32.5 52.8,33.55 T14.3@53.15,33.9
NetR65_1: R65.1 T15.3 T19.1 | length 3.2
  Top Layer w0.25: T19.1@68.3,31 68.3,31.8 R65.1@68.9,32.4 ; R65.1@68.85,32.5 68.85,33.55 T15.3@69.2,33.9